# KiCad board HPM1500_DDR2_CORE_RevA.kicad_pcb (continued)
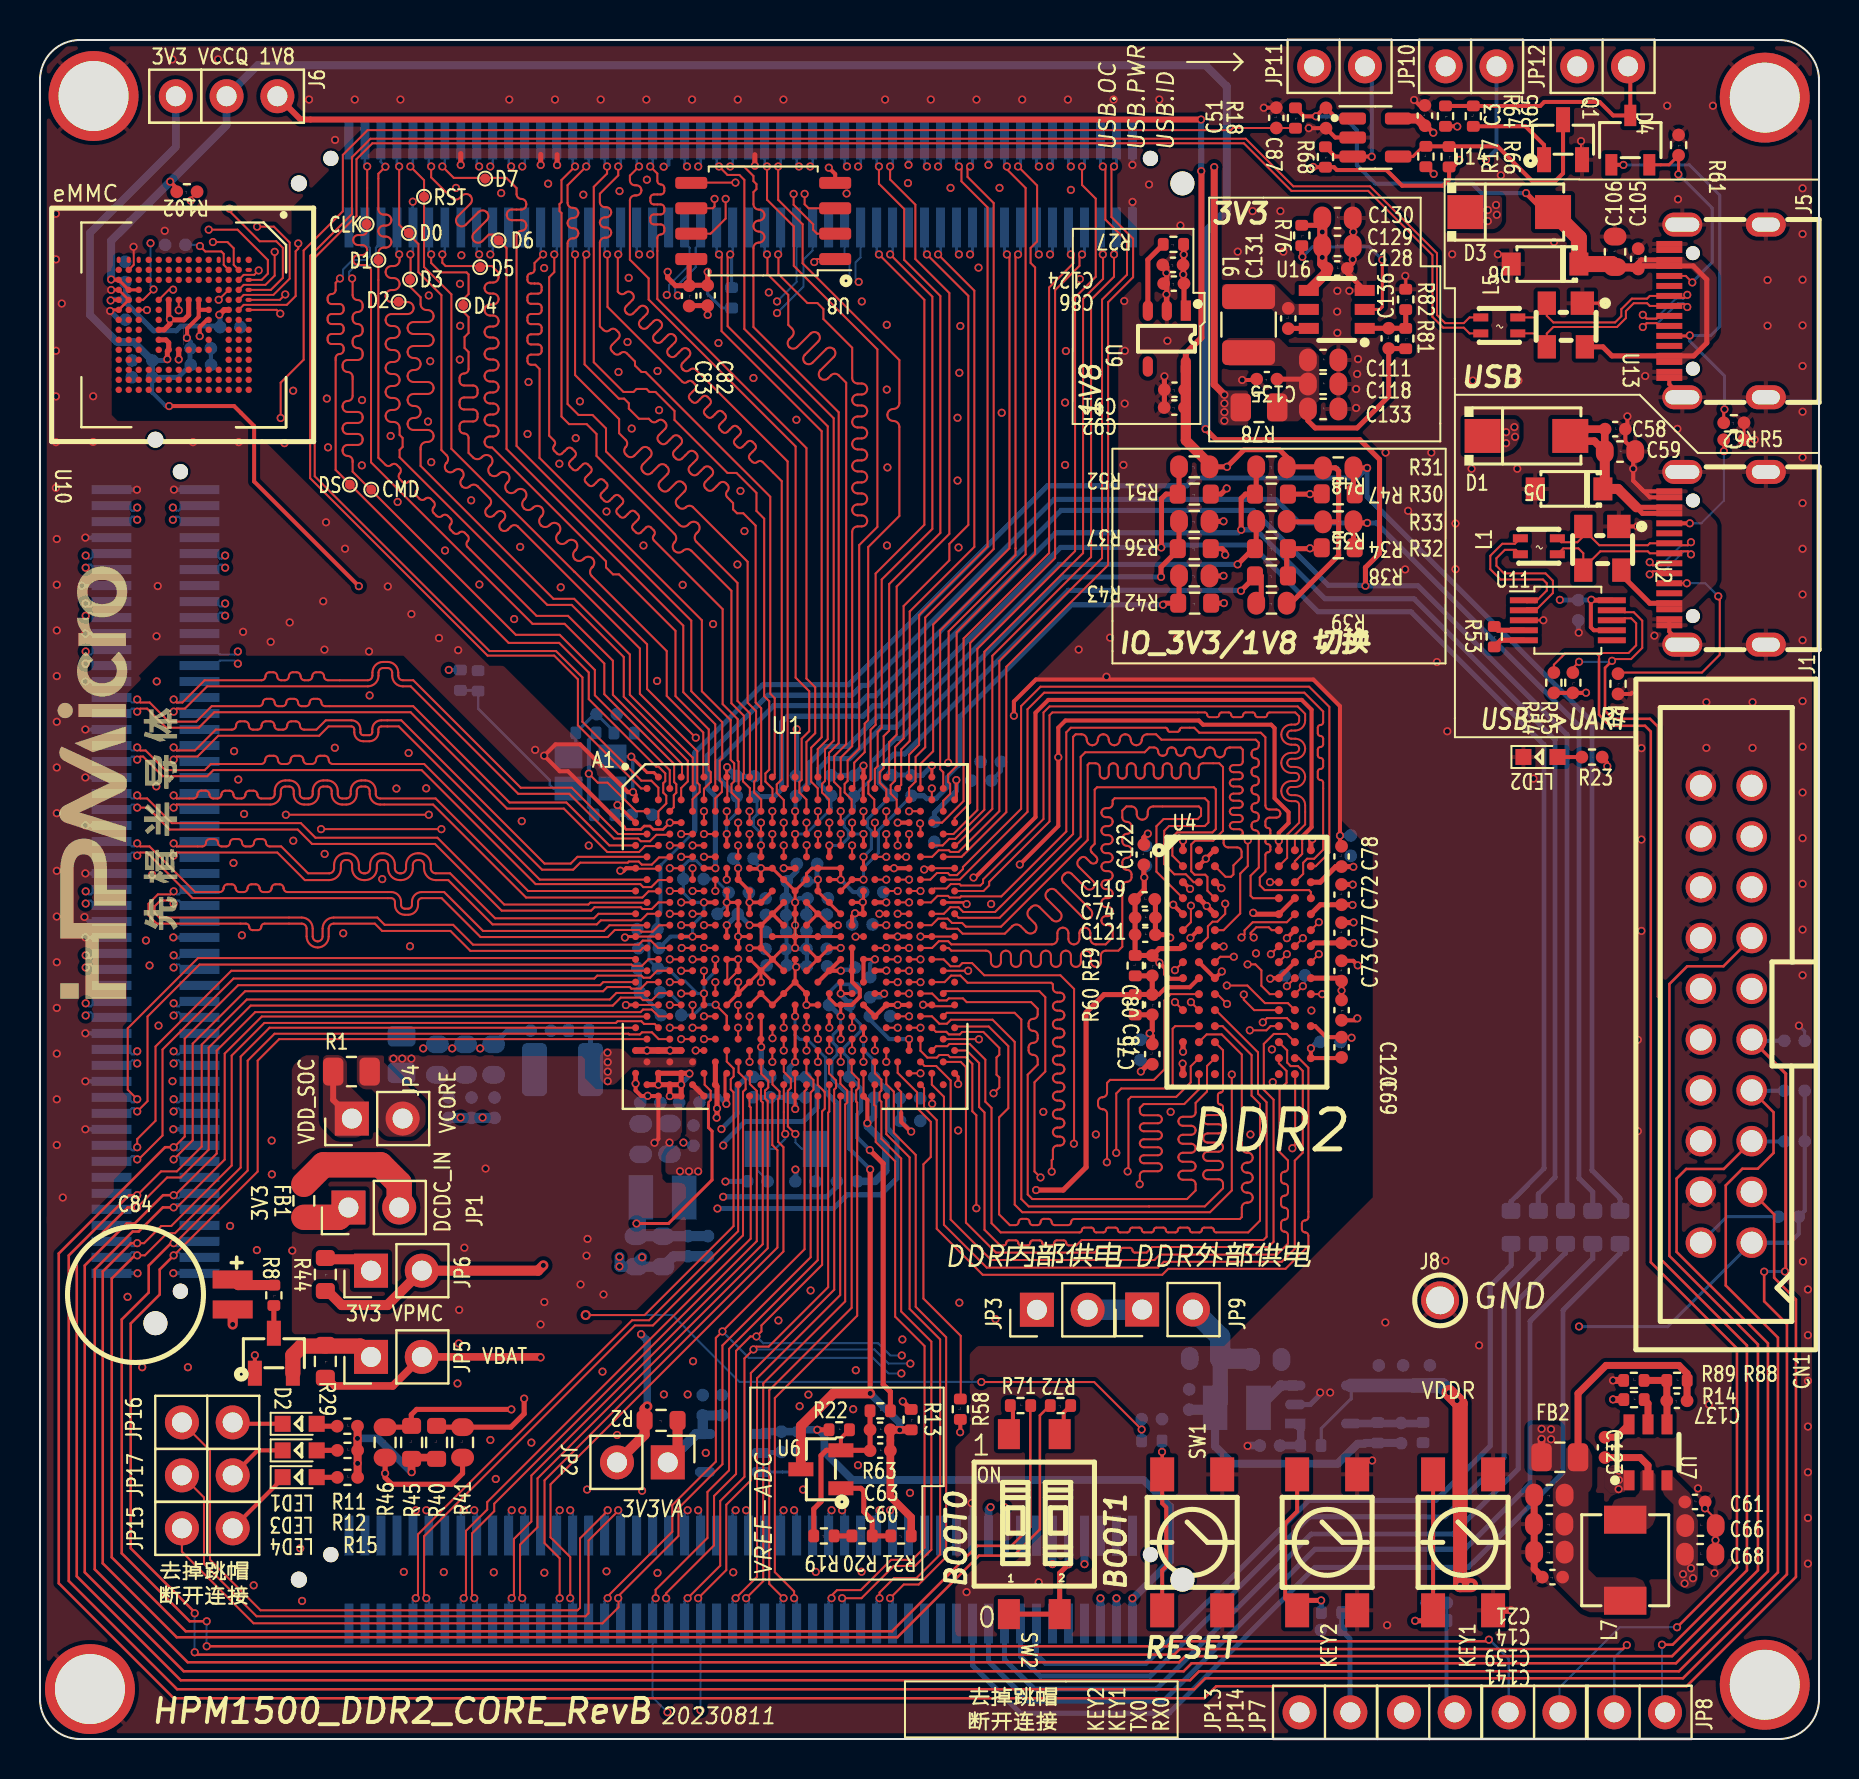
[diagram p0: board, top side]
## Routing (per net, layer and track width the routed paths; a pad name or vN(x,y) marks a point on that pad's centre or on a via; arc(x,y) is an arc through that point) (continued)
  Top w0.102: U1.F6 v1(32.08,45.27)
  In2.Cu w0.102: v1(32.08,45.27) 32.09,45.29 32.09,46.63 31.53,47.2 31.53,50.67 21.05,61.15 15.17,61.15 arc(14.73,61.33) 14.55,61.77 14.55,61.99 arc(14.46,62.21) 14.24,62.3 arc(14.01,62.21) 13.92,61.99 13.92,61.77 arc(13.74,61.33) 13.3,61.15 12.5,61.15 arc(12.39,61.1) 12.34,60.99 arc(12.29,60.89) 12.18,60.84 11.91,60.84 arc(11.8,60.89) 11.76,60.99 arc(11.71,61.1) 11.6,61.15 11.33,61.15 arc(11.22,61.1) 11.17,60.99 arc(11.12,60.89) 11.01,60.84 10.74,60.84 arc(10.63,60.89) 10.59,60.99 arc(10.54,61.1) 10.43,61.15 10.16,61.15 arc(10.05,61.1) 10,60.99 arc(9.95,60.89) 9.84,60.84 9.57,60.84 arc(9.46,60.89) 9.42,60.99 arc(9.37,61.1) 9.26,61.15 6.8,61.15 v1(6.65,61)
  Bottom w0.102: v1(6.65,61) 6.8,61.15 6.95,61.15 7.2,60.9 J2.5
MIPI3.D0_P: length 39.5
  Top w0.102: v1(33.22,45.27) U1.F8
  In2.Cu w0.102: v1(6.65,61.61) 6.8,61.45 13.3,61.45 arc(13.53,61.55) 13.62,61.77 13.62,61.99 arc(13.8,62.42) 14.24,62.6 arc(14.67,62.42) 14.85,61.99 14.85,61.77 arc(14.95,61.55) 15.17,61.45 21.18,61.45 31.83,50.8 31.83,47.33 32.44,46.73 32.44,45.69 32.85,45.27 v1(33.22,45.27)
  Bottom w0.102: J2.3 7.2,61.7 6.95,61.45 6.8,61.45 v1(6.65,61.61)
MIPI3.D1_N: length 39.5
  Top w0.102: v1(31.5,44.7) U1.G5
  In2.Cu w0.102: v1(31.5,44.7) 30.76,45.45 30.76,50.24 21.01,59.99 13.09,59.99 arc(12.97,59.94) 12.92,59.81 arc(12.86,59.69) 12.74,59.64 12.49,59.64 arc(12.37,59.69) 12.32,59.81 arc(12.26,59.94) 12.14,59.99 11.89,59.99 arc(11.77,59.94) 11.72,59.81 arc(11.66,59.69) 11.54,59.64 11.29,59.64 arc(11.17,59.69) 11.12,59.81 arc(11.06,59.94) 10.94,59.99 10.69,59.99 arc(10.57,59.94) 10.52,59.81 arc(10.46,59.69) 10.34,59.64 10.09,59.64 arc(9.97,59.69) 9.92,59.81 arc(9.86,59.94) 9.74,59.99 6.47,59.99 5.3,61.15 5.02,61.15 v1(4.86,61)
  Bottom w0.102: v1(4.86,61) 4.71,61.15 4.6,61.15 4.35,60.9 J2.6
MIPI3.D1_P: length 39.6
  Top w0.102: U1.G7 v1(32.65,44.7)
  In2.Cu w0.102: v1(32.65,44.7) 32.14,44.7 31.68,45.16 31.49,45.16 31.06,45.59 31.06,50.36 21.13,60.29 6.59,60.29 5.43,61.45 5.02,61.45 v1(4.86,61.61)
  Bottom w0.102: J2.4 4.35,61.7 4.6,61.45 4.71,61.45 v1(4.86,61.61)
MIPI3.D2_N: length 39.5
  Top w0.102: U1.J5 v1(31.5,43.56)
  In2.Cu w0.102: v1(31.5,43.56) 30.66,43.56 29.35,44.87 27.95,44.87 26.38,46.44 25.61,46.44 17.11,54.95 arc(16.98,55.01) 16.85,54.95 arc(16.72,54.9) 16.59,54.95 16.47,55.07 arc(16.41,55.2) 16.47,55.33 arc(16.52,55.46) 16.47,55.59 16.35,55.71 arc(16.22,55.76) 16.09,55.71 arc(15.96,55.66) 15.83,55.71 15.71,55.83 arc(15.66,55.96) 15.71,56.09 arc(15.76,56.22) 15.71,56.35 15.59,56.47 arc(15.46,56.52) 15.33,56.47 arc(15.2,56.41) 15.07,56.47 14.95,56.59 arc(14.9,56.72) 14.95,56.85 arc(15.01,56.98) 14.95,57.1 14.65,57.41 8.32,57.41 6.97,58.75 6.43,58.75 6.09,59.09 6.09,59.26 6.04,59.31 5.82,59.31 5.76,59.26 5.76,59.09 5.42,58.75 2.44,58.75 v1(2.29,58.6)
  Bottom w0.102: J2.12 2.8,58.5 2.55,58.75 2.44,58.75 v1(2.29,58.6)
MIPI3.D2_P: length 39.5
  Top w0.102: U1.K6 v1(32.65,43.56)
  In2.Cu w0.102: v1(32.65,43.56) 32.03,43.56 31.68,43.92 30.73,43.92 29.48,45.18 28.05,45.18 26.48,46.74 25.75,46.74 14.78,57.71 8.44,57.71 7.1,59.05 6.55,59.05 6.4,59.2 6.4,59.39 6.17,59.62 5.69,59.62 5.46,59.39 5.46,59.23 5.28,59.05 2.44,59.05 v1(2.29,59.21)
  Bottom w0.102: J2.10 2.8,59.3 2.55,59.05 2.44,59.05 v1(2.29,59.21)
MIPI3.D3_N: length 39.5
  Top w0.102: U1.L7 v1(32.65,42.42)
  In2.Cu w0.102: v1(9.26,56.2) 9.58,56.2 9.76,56.38 13.29,56.38 15.38,54.28 arc(15.43,54.15) 15.38,54.03 arc(15.33,53.9) 15.38,53.77 15.54,53.61 arc(15.66,53.56) 15.79,53.61 arc(15.92,53.67) 16.05,53.61 16.21,53.46 arc(16.26,53.33) 16.21,53.2 arc(16.15,53.07) 16.21,52.94 16.36,52.78 arc(16.49,52.73) 16.62,52.78 arc(16.75,52.84) 16.88,52.78 17.03,52.63 arc(17.09,52.5) 17.03,52.37 arc(16.98,52.24) 17.03,52.11 17.19,51.96 arc(17.32,51.9) 17.45,51.96 arc(17.58,52.01) 17.71,51.96 18.38,51.29 arc(18.42,51.19) 18.38,51.1 18.27,50.99 arc(18.14,50.69) 18.27,50.38 18.5,50.15 arc(18.8,50.03) 19.11,50.15 19.73,50.77 arc(19.82,50.81) 19.91,50.77 20.14,50.54 arc(20.18,50.45) 20.14,50.36 19.52,49.74 arc(19.39,49.43) 19.52,49.13 19.75,48.9 arc(20.06,48.77) 20.36,48.9 20.98,49.52 arc(21.07,49.56) 21.16,49.52 21.39,49.29 arc(21.43,49.2) 21.39,49.11 20.77,48.49 arc(20.65,48.18) 20.77,47.88 21,47.65 arc(21.31,47.52) 21.61,47.65 21.72,47.76 arc(21.81,47.8) 21.91,47.76 23.03,46.64 23.03,45.08 24.62,43.49 27.54,43.49 27.94,43.89 29.22,43.89 30.25,42.86 32.21,42.86 v1(32.65,42.42)
  Bottom w0.102: v1(9.26,56.2) 9.11,56.35 9,56.35 8.75,56.1 J2.17
MIPI3.D3_P: length 39.5
  Top w0.102: v1(33.78,42.42) U1.K8
  In2.Cu w0.102: v1(9.26,56.81) 9.63,56.81 9.76,56.68 13.41,56.68 18.59,51.5 arc(18.72,51.19) 18.59,50.89 18.49,50.78 arc(18.45,50.69) 18.49,50.59 18.71,50.37 arc(18.8,50.33) 18.9,50.37 19.51,50.98 arc(19.82,51.11) 20.13,50.98 20.35,50.76 arc(20.48,50.45) 20.35,50.14 19.74,49.53 arc(19.7,49.43) 19.74,49.34 19.96,49.12 arc(20.06,49.08) 20.15,49.12 20.76,49.73 arc(21.07,49.86) 21.38,49.73 21.6,49.51 arc(21.73,49.2) 21.6,48.89 20.99,48.28 arc(20.95,48.18) 20.99,48.09 21.21,47.87 arc(21.31,47.83) 21.4,47.87 21.51,47.97 arc(21.81,48.1) 22.12,47.97 23.33,46.76 23.33,45.21 24.74,43.8 27.42,43.8 27.82,44.2 29.34,44.2 30.37,43.17 33.04,43.17 v1(33.78,42.42)
  Bottom w0.102: J2.15 8.75,56.9 9,56.65 9.11,56.65 v1(9.26,56.81)
PA28: length 35.9
  Top w0.102: v1(14.06,45.52) v1(20.08,45.52) ; U1.M6 v1(32.08,41.85)
  In2.Cu w0.102: v1(32.08,41.85) 31.94,41.98 31.32,41.98 31.19,42.11 29.95,42.11 29.36,42.69 23.38,42.69 20.55,45.52 v1(20.08,45.52) ; v1(2.29,41.8) 2.55,41.8 3.41,42.66 3.41,44.37 4.56,45.52 v1(14.06,45.52)
  Bottom w0.102: v1(2.29,41.8) 2.44,41.95 2.55,41.95 2.8,41.7 J2.54
PA29: length 35.2
  Top w0.102: v1(12.3,46.24) v1(19.45,46.24) ; v1(31.5,42.42) U1.L5
  In2.Cu w0.102: v1(31.5,42.42) 30.07,42.42 29.47,43.02 23.86,43.02 20.64,46.24 v1(19.45,46.24) ; v1(2.29,42.41) 2.31,42.41 3.06,43.16 3.06,44.45 4.45,45.84 11.9,45.84 v1(12.3,46.24)
  Bottom w0.102: v1(2.29,42.41) 2.44,42.25 2.55,42.25 2.8,42.5 J2.52
PB14: length 29.3
  Top w0.102: 30.42,41.84 27.53,41.84 27.43,41.75 23.22,41.75 19.88,45.09 13.78,45.09 13.05,45.82 6.6,45.82 5.36,47.05 5.02,47.05 v1(4.86,47.21)
  Bottom w0.102: v1(4.86,47.21) 4.71,47.05 4.6,47.05 4.35,47.3 J2.40
PB15: length 30.5
  Top w0.102: v1(4.86,46.6) 5.39,46.6 6.48,45.5 12.89,45.5 13.61,44.78 19.76,44.78 23.1,41.44 27.57,41.44 27.74,41.61 30.05,41.61 30.14,41.52 30.6,41.52 30.94,41.85 U1.M4
  Bottom w0.102: J2.42 4.35,46.5 4.6,46.75 4.71,46.75 v1(4.86,46.6)
PC30: length 32.6
  Top w0.102: U1.E13 v1(36.64,46.41)
  In2.Cu w0.102: v1(29.97,74.27) 30.1,74.14 30.1,60.89 36.4,54.58 36.4,47.62 36.64,47.39 v1(36.64,46.41)
  Bottom w0.127: v1(29.97,74.27) 29.85,74.39 J3.38
PC31: length 33.9
  Top w0.102: U1.G13 v1(36.64,45.27)
  In2.Cu w0.102: v1(36.64,45.27) 36.64,45.82 37,46.19 37,47.47 36.71,47.76 36.71,54.71 30.4,61.02 30.4,74.14 v1(30.53,74.27)
  Bottom w0.127: J3.40 30.65,74.39 v1(30.53,74.27)
VIO_B00: length 101.8
  Top w0.152: U1.AA7 v1(33.21,37.3) ; U1.V8 v1(33.78,39.01)
  Top w0.254: 65.71,62.29 R31.2 65.71,63.59 v1(66.39,63.59)
  Bottom w0.152: 31.03,43.7 32.75,45.42 ; v1(33.78,39) 33.78,38.4 33.22,37.83 v1(33.22,37.29) 32.89,37.29 32.27,37.92 32.03,37.92 31.39,38.56 30.88,38.56 30.46,38.98 30.46,40.08
  Bottom w0.2: 30.46,40.08 30.89,40.51 C134.1 30.89,41.2 31.03,41.34 31.03,43.7
  Bottom w0.254: R79.2 79.04,27.04 77.64,28.44 77.64,50.89 66.39,62.14 v1(66.39,63.59) 65.89,63.09 57.77,63.09 57.37,62.69 50.4,62.69 40.44,52.74 36.16,52.74 32.75,49.34 32.75,45.42
VIO_B01: length 96.6
  Top w0.152: U1.R7 v1(32.65,40.14) U1.R5 ; v1(33.78,43.56) U1.J7
  Top w0.178: U1.M8 v1(33.22,41.85)
  Top w0.254: v1(66.39,60.84) 65.76,60.84 R33.2 65.71,59.59
  Bottom w0.152: v1(32.65,40.14) 32.65,40.71 33.22,41.28 v1(33.22,41.85) 32.66,41.85 32.18,42.33 32.18,43.68 32.45,43.95 32.82,43.95 33.21,43.56 v1(33.78,43.56)
  Bottom w0.2: v1(32.65,40.14) 32.64,40.14 31.54,40.14 C16.1
  Bottom w0.254: R90.2 77.68,27.36 76.99,28.04 76.99,50.69 66.84,60.84 v1(66.39,60.84) 62.99,60.84 61.81,62.01 50.73,62.01 41.43,52.71 41.12,52.71 40.62,52.22 36.41,52.22 33.38,49.19 33.38,47.57 33.78,47.16 v1(33.78,43.56)
VIO_B02: length 190.1
  Top w0.102: v1(3.53,71.97) 3.56,72
  Top w0.152: U10.M4 U10.N4 U10.P3 3.58,73 ; 3.56,72 U10.P5 ; U1.G9 v1(34.35,45.27)
  Top w0.203: R102.2 6.84,77.58 v1(6.51,77.91)
  Top w0.254: v1(58.31,65.53) 58.84,65 66.02,65 67.01,64.01 67.01,59.31 66.31,58.61 v1(66.31,57.69)
  Top w0.279: v1(8.97,71.25) 9.21,71.5 U10.C6
  Bottom w0.152: v1(34.36,45.27) 34.36,45.84 34.86,46.34 C20.1
  Bottom w0.254: C99.1 3.59,72.02 v1(3.53,71.97) ; C99.1 4.28,71.85 5.68,70.45 6.82,70.45 7.05,70.68 8.96,70.68 9.01,70.63 9.01,71.21 ; C99.1 4.28,72.87 C116.1 4.13,73.02 v1(3.56,73.02) ; C20.1 33.88,48.14 33.88,48.87 36.71,51.69 40.9,51.69 41.39,52.19 41.81,52.19 51.08,61.46 60.7,61.46 64.44,57.72 66.28,57.72 ; v1(66.31,57.69) 68.94,57.69 76.39,50.24 76.39,26.5 R91.2
  Bottom w0.4: 4.5,75.9 3.68,75.08 ; 4.5,75.9 v1(6.51,77.91) 9.34,80.73 J6.2 10.89,83.73 58.31,83.73 59.37,82.68 59.37,76.47 58.31,75.41 v1(58.31,65.53) ; 4.5,75.9 3.56,74.96 v1(3.56,73.02)
VIO_B03: length 83.2
  Top w0.152: U1.H12 v1(36.07,44.7)
  Top w0.254: R48.2 60.84,62.28 60.31,62.28 60.09,62.06 v1(60.09,60.49)
  Bottom w0.152: C6.1 35.88,47.01 35.88,46.26 35.68,46.06 35.68,45.69 36.06,45.31 v1(36.06,44.7)
  Bottom w0.254: C6.1 36.73,47.15 37.11,47.52 37.11,50.87 37.41,51.17 41.17,51.17 41.69,51.69 42.16,51.69 50.81,60.34 59.94,60.34 v1(60.09,60.49) 60.84,60.49 64.29,57.04 68.74,57.04 75.79,49.99 75.79,28.09 74.95,27.26 R92.2 ; 35.85,47.06 35.74,47.17 35.9,47.17
VIO_B04: length 77.3
  Top w0.152: U1.E15 v1(37.78,46.41)
  Top w0.254: v1(56.09,59.61) 56.1,59.62 56.1,62.05 56.33,62.28 56.98,62.28 R52.2
  Bottom w0.102: 37.75,46.38 37.78,46.36
  Bottom w0.203: 37.8,46.97 37.8,46.39 37.78,46.36
  Bottom w0.254: R93.2 73.59,26.89 75.24,28.54 75.24,49.74 68.59,56.39 63.94,56.39 60.61,59.73 56.21,59.73 v1(56.09,59.61) 56.09,59.61 51.05,59.61 42.61,51.17 41.91,51.17 40.39,49.66 39.32,49.66 38.48,48.82 38.48,47.87 37.82,47.2
VPMC: length 31.8
  Top w0.152: v1(36.08,34.62) 36.08,36.19
  Top w0.5: JP6.2 17.38,21.71 15.09,21.71 14.32,22.48 14.28,22.48
  Top w0.508: v1(25.18,23.69) 24.92,23.43 JP6.2
  In2.Cu w0.305: v1(34.09,30.51) 32.69,29.11 29.86,29.11 25.18,24.43 v1(25.18,23.69)
  Bottom w0.254: 35.68,33.09 36.53,33.09 36.08,33.55 v1(36.08,34.62) ; C40.1 35.36,33.12 34.88,32.64 34.88,31.3 v1(34.09,30.51)
VREF_3.3V: length 9.9
  Top w0.2: R22.2 40.06,15.04 U6.2
  Top w0.254: R63.1 C60.1 41.51,14.44 U6.2 39.33,14.44 39.07,14.18 39.07,11.87 38.71,11.51 38.71,10.16
VREFH: length 24.2
  Top w0.152: U1.W19 v1(40.06,37.29) U1.Y20
  Top w0.254: 42.33,17.58 42.18,17.73 42.18,28.79 v1(41.51,29.46) ; 42.33,17.58 42.53,17.38 ; 42.33,17.58 42.54,17.37 42.54,16.42
  Bottom w0.152: 40.56,36.71 40.56,36.23 41.04,35.76 41.04,35.4 40.22,34.59 40.22,34.29 40.46,34.05 40.46,33.05
  Bottom w0.203: v1(41.51,29.46) 40.88,30.09 40.88,31.24 41.08,31.44 41.08,32.54 40.53,33.1 40.48,33.1
  Bottom w0.254: 40.56,36.71 40.06,37.22 v1(40.06,37.29)
Net-(C84-Pad1): length 2.2
  Top w0.508: C84.1 9.92,22.71 R8.1
Net-(C111-Pad1): length 10.3
  Top w0.25: C133.1 63.43,65.95 63.79,65.59 65.89,65.59 67.47,67.17 67.47,69.56 ; C118.1 63.19,68.03 61.88,68.03
  Top w0.254: 67.47,69.56 68.31,69.56 68.32,69.55
Net-(C137-Pad1): length 10.8
  Top w0.35: FB2.2 76.94,17.29 78.34,18.69 81.99,18.69 82.4,18.28 R88.2 82.39,17.94 C137.1
Net-(C140-Pad1): length 0.9
  Bottom w0.254: R7.1 C140.1
Net-(CN1-Pad2): length 4.4
  Bottom w0.152: 86.96,26.13 84.39,26.13 CN1.2
Net-(D2-Pad3): length 1.4
  Top w0.254: R8.2 D2.3
Net-(J1-CC1): length 11.2
  Top w0.102: v1(82.38,57.82) J1.A5 ; v1(83.96,57.17) 83.91,57.12 83.91,57.09 84.03,56.97 84.03,54.24 83.14,53.35 79,53.35 R4.1
  Bottom w0.102: v1(82.38,57.82) 83.31,57.82 v1(83.96,57.17)
Net-(J1-CC2): length 6.3
  Top w0.152: v1(84.24,64.43) 84.24,64.99 R5.1
  Top w0.203: J1.B5 82.53,60.82 v1(82.53,60.82)
  Bottom w0.102: v1(82.53,60.82) 83.11,60.82 84.24,61.95 v1(84.24,64.43)
Net-(J4-Pin_80): length 50.2
  Bottom w0.254: J4.80 46.65,3.68 49.04,1.29 56.49,1.29 63.78,8.58 71.44,8.58 76.19,13.33 76.19,21.44 79.04,24.29 R79.1
Net-(J4-Pin_82): length 47.6
  Bottom w0.254: J4.82 47.45,3.88 49.44,1.89 56.19,1.89 63.79,9.49 71.28,9.49 74.54,12.75 74.54,20.89 77.68,24.03 R90.1
Net-(J4-Pin_84): length 44.9
  Bottom w0.254: J4.84 48.25,3.98 49.74,2.49 55.84,2.49 63.6,10.25 70.69,10.25 73.94,13.5 73.94,21.94 76.31,24.32 R91.1
Net-(J4-Pin_86): length 42.2
  Bottom w0.254: R92.1 74.95,24.06 73.24,22.34 73.24,14.07 70.28,11.11 63.51,11.11 55.54,3.14 50.04,3.14 49.05,4.13 J4.86
Net-(J4-Pin_88): length 39.5
  Bottom w0.254: R93.1 73.59,23.69 72.54,22.64 72.54,14.65 69.82,11.93 63.48,11.93 55.34,3.79 50.29,3.79 49.85,4.23 J4.88
Net-(J5-CC1): length 20.4
  Top w0.152: v1(82.53,70.22) 82.5,70.19 J5.A5 ; R62.2 84.23,66.48 v1(84.27,66.52)
  Top w0.203: D4.1 79.21,78.75 v1(79.21,78.75)
  Bottom w0.15: v1(79.21,78.75) 82.51,78.75 84.03,77.23 84.03,70.67 83.58,70.22 v1(82.53,70.22) 82.53,69.93 84.27,68.19 84.27,67.9
  Bottom w0.152: v1(84.27,66.52) 84.27,67.9
Net-(J5-CC2): length 10.4
  Top w0.102: v1(82.66,72.87) 82.33,73.19 J5.B5
  Top w0.152: D4.2 81.49,78.75 R61.2 81.97,78.29 v1(81.96,78.28)
  Bottom w0.15: v1(81.96,78.28) 83.65,76.59 83.65,73.88 82.66,72.88 v1(82.66,72.87)
Net-(JP2-B): length 33.2
  Top w0.203: U1.V18 U1.W17 ; U1.V18 U1.U19 ; U1.V18 v1(40.06,38.43)
  Top w0.508: JP2.2 30.25,15.22 R2.2 30.25,16.5 v1(30.38,16.64)
  In2.Cu w0.203: 35.93,33.14 35.93,34.11 35.62,34.42 35.62,35.06 37.83,37.27 38.9,37.27 v1(40.06,38.43)
  In2.Cu w0.254: 35.92,33.14 35.36,32.58
  In2.Cu w0.381: v1(30.07,20.25) 35.36,25.54 35.36,32.58
  Bottom w0.203: 40.68,38.49 40.11,38.49 v1(40.06,38.43)
  Bottom w0.381: v1(30.07,20.25) 30.37,19.95 30.37,16.65 v1(30.38,16.64)
Net-(JP5-A): length 5.2
  Top w0.762: JP5.1 16.02,19.66 13.11,19.66 12.65,19.2 D2.2
Net-(KEY1-Pad3): length 8.5
  Top w0.2: KEY1.3 KEY1.4
  Top w0.254: v1(68.79,5.91) 69.17,5.91 KEY1.4
  Bottom w0.254: R69.1 68.8,5.92 v1(68.79,5.91)
Net-(KEY2-Pad3): length 9.3
  Top w0.2: KEY2.4 62.29,7.04 62.29,10.79 62.89,11.39 KEY2.3
  Top w0.254: KEY2.4 63.39,6.93 v1(64.09,6.93)
  Bottom w0.254: 64.1,6.32 64.1,6.92 v1(64.09,6.93)
Net-(LED1-A): length 1
  Top w0.254: R11.1 13.89,15.65
Net-(LED2-A): length 1.2
  Top w0.2: R23.1 75.92,49.12
Net-(LED3-A): length 1.1
  Top w0.254: R12.1 13.78,14.44
Net-(LED4-A): length 1.1
  Top w0.254: R15.1 13.79,13.09
Net-(Q1-D): length 12
  Top w0.152: U14.4 68.68,79.17 69.19,79.68 69.33,79.68
  Top w0.203: 70.48,79.68 69.33,79.68 ; 70.5,79.68 72.91,79.68 74.66,77.93 75.79,77.93 76.19,78.33 Q1.3
Net-(Q1-G): length 4.7
  Top w0.2: R65.1 74.31,80.68 75.24,79.75 Q1.1
Net-(R6-Pad1): length 8.6
  Top w0.178: SW1.3 56.14,14.36 v1(56.13,14.36)
  Top w0.2: SW1.4 56.14,8.44 56.34,8.64 56.34,11.59 56.14,11.79 SW1.3
  Bottom w0.178: v1(56.13,14.36) R6.1
Net-(R19-Pad1): length 0.9
  Top w0.254: 39.72,10.16 40.62,10.16
Net-(SW2-PIN3): length 1.6
  Top w0.203: 51.21,15.18 51.21,16.34 R72.1
Net-(SW2-PIN4): length 1.6
  Top w0.203: 48.67,15.18 48.67,16.55 48.54,16.68
Net-(U1K-USB0_VBUS): length 99.8
  Top w0.102: v1(12.04,66.09) 12.04,67.85 13.19,69 13.19,74.47 15.15,76.43 15.15,79.25 16.39,80.49 59.57,80.49 59.68,80.6 C51.1 62.8,80.6 62.81,80.59
  Top w0.152: U1.J9 v1(34.36,42.99)
  In2.Cu w0.102: v1(12.04,66.09) 14.86,66.09 18.16,62.79 22.19,62.79 32.33,52.65 32.33,49.6 32.81,49.12 32.81,46.09 33.03,45.87 33.41,45.87 33.81,45.47 33.81,44.77 34.36,44.22 v1(34.36,42.99)
Net-(U1L-RTC_XTAL_IN): length 6.2
  Top w0.102: v1(37.28,30.27) 37.21,30.34 37.21,32.79
  Bottom w0.102: v1(37.28,30.27) 37.28,30.03 36.78,29.52 X2.1 35.89,28.45 36.37,27.97 36.37,27.9
Net-(U1L-RTC_XTAL_OUT): length 7.2
  Top w0.102: v1(37.79,30.27) 37.41,30.65 37.41,32.42 37.56,32.57 37.56,33.03 37.21,33.38 37.21,33.92
  Bottom w0.102: 38.78,27.9 38.81,27.93 X2.2 38.11,29.52 37.79,29.84 v1(37.79,30.27)
Net-(U1L-XTAL_IN): length 3.5
  Top w0.152: 28.99,46.64 29.54,46.09 29.55,46.09 U1.E1
  Bottom w0.15: 29.59,46.23 C49.1
  Bottom w0.2: 29.59,46.23 28.75,46.23 28.89,46.38 v1(28.89,46.72) 28.89,47.3 X3.3
Net-(U1L-XTAL_OUT): length 7.9
  Top w0.102: U1.D2 29.82,46.41 28.39,47.84 27.91,47.84 v1(27.46,48.29)
  Bottom w0.2: 27.73,46.36 27.46,46.64 v1(27.46,48.29) 27.46,49.97 R86.2
Net-(U3-EN): length 2.3
  Bottom w0.381: U3.1 63.07,15.51 63.07,14.68 C57.1
Net-(U3-FB): length 3.6
  Bottom w0.381: U3.5 69.13,15.79 69.19,15.84
Net-(U5-EN): length 2.7
  Bottom w0.152: U5.3 37.54,13.36 37.97,13.79 R57.2
Net-(U6-R): length 4.6
  Top w0.254: U6.1 41.07,12.54 41.21,12.4 41.21,11.37 41.63,10.95 41.63,10.16 42.57,10.16
Net-(U7-EN): length 1.3
  Top w0.35: 80.25,16.98 80.44,16.79 U7.5
Net-(U7-SW): length 3.1
  Top w0.35: U7.2 80.44,13.69 80.05,14.08 C123.2
Net-(U7-VBST): length 1.5
  Top w0.35: U7.6 78.85,15.1 C123.1
Net-(U7-VFB): length 3.3
  Top w0.35: 80.24,17.94 81.38,17.94 81.38,16.93 81.38,16.92 81.39,16.91 81.39,15.74
Net-(U9-EN): length 3.6
  Top w0.254: U9.3 55.42,74 R27.2
Net-(U10A-VDDI): length 3
  Top w0.097: 9.19,73.75 9.19,74.3
  Top w0.102: U10.C2 9.19,73.75 ; v1(8,74.69) 8.27,74.42 9.07,74.42 9.19,74.3
  Bottom w0.102: v1(8,74.69) 7.94,74.75 C95.2
Net-(U11-~{CTS}): length 1.6
  Top w0.254: U11.5 73.08,54.97 R53.2
Net-(U11-~{RTS}): length 1.6
  Top w0.254: R53.1 72.94,55.47 U11.4
Net-(U16-BS): length 1
  Top w0.254: 62.44,70.56 62.45,70.57 U16.6
Net-(U16-EN): length 8.3
  Top w0.152: v1(67.15,74) 67.15,71.65 67.02,71.52 U16.2
  Top w0.254: 63.12,74.71 63.12,74.18 v1(63.15,74.15)
  Bottom w0.152: v1(67.15,74) 66.5,74.65 63.65,74.65 v1(63.15,74.15)
Net-(U16-FB): length 3
  Top w0.254: 68.32,71.51 68.32,70.57 68.31,70.58 C136.2 66.28,70.58 U16.1
Net-(X3-TRI_state): length 4.1
  Bottom w0.15: R85.2 28.71,50.4 27.84,51.27 27.74,51.27 26.8,50.33 26.8,49.51 26.44,49.15
Net-(X3-VDD): length 8.1
  Bottom w0.12: 26.44,47.55 25.69,47.55 25.5,47.73 25.5,47.96 21.92,51.54 21.92,52.43
  Bottom w0.15: 21.03,52.47 21.88,52.47 21.92,52.43

## Copper pours and planes (outline as drawn; the poured copper is in the pictures)
5V_Debug on Top: 83.92,60.85 83.92,57.86 82.46,56.4 80.91,56.4 80.91,56.97 82.14,56.97 83.06,57.9 83.06,60.71 82.61,61.17 80.91,61.17 80.91,61.75 83.02,61.75
+3.3V on Top: 76.09,15.73 74.46,15.74 74.46,13.41 76.09,13.41
+3.3V on Top: 60.58,67.46 60.58,65.92 60.38,65.71 59.09,65.71 58.94,65.86 58.94,67.39 59.02,67.46
+3.3V on In2.Cu: 70.1,63.43 70.93,62.6 77.35,62.6 77.35,8.55 53.24,8.55 52.39,7.74 52.39,4.29 9.64,4.29 9.64,11.34 9.65,11.34 9.65,29.5 17.5,29.5 17.5,20.45 15.3,20.45 15.3,17.55 17.4,17.55 17.4,9.98 18.08,9.3 47.25,9.3 50.04,12.09 69.1,12.09 74.04,17.09 74.15,55.29 73.04,56.39 58.95,56.45 58.95,67.5 70.1,67.5
+5V on Top: 71.38,77.21 73.14,77.21 73.14,75.86 72.82,75.54 71.35,75.54 71.35,77.18
+5V on Top: 81.12,12.33 81.59,11.85 81.71,11.73 81.71,7.99 82.18,7.52 82.63,7.52 82.94,7.83 82.94,11.13 82.67,11.4 82.67,12.16 81.67,13.16 81.67,13.44 81.12,13.44
+5V on Top: 72.3,66.03 74.01,66.03 74.01,64.88 73.49,64.36 72.27,64.36 72.27,66
+5V on In2.Cu: 70.55,76.9 78.62,76.9 79.08,76.44 79.08,67.97 81.98,65.07 81.98,9.1 82.23,8.85 82.77,8.85 83.08,8.54 83.08,7.62 82.73,7.27 81.97,7.27 81.81,7.11 81.81,4.56 81.38,4.12 53.18,4.12 52.82,4.48 52.82,7.46 53.41,8.05 77.41,8.05 78,8.64 78,62.45 77.33,63.12 71.46,63.12 70.55,64.03 70.55,69.41 67.36,72.6 67.35,72.6 67.02,72.93 57.05,72.93 56.9,73.08 56.9,74.97 57.8,75.87 66.54,75.87 68.37,77.7 68.37,79.96 69.08,80.67 69.88,80.67 70.03,80.52 70.03,80.23 69.21,79.41 69.21,77.25 69.57,76.89 70.56,76.89
/Main/MCU-08/VDDR' on Bottom: 31.31,25.51 33.64,25.51 33.94,25.81 47.63,25.81 50.93,22.51 50.93,20.28 50.65,20 49.15,20 45.41,23.74 34.52,23.74 33.36,24.9 31.29,24.9 31.29,25.5
GND on Top: 78.39,13.59 78.24,13.44 78.24,12.59 78.54,12.29 79.19,12.29 79.29,12.39 79.29,13.44 79.14,13.59
GND on Top: 0.47,31.19 3.94,31.71 3.94,28.24 3.69,27.99 3.69,10.09 10.84,2.94 83.74,2.94 87.79,6.99 87.79,24.04 87.74,24.5 88.28,24.5 88.64,24.14 88.49,23.99 88.49,1.34 87.44,0.29 1.69,0.29 0.34,1.64 0.34,26.14 0.39,26.19 0.39,28.95
GND on Top: 88.64,3.94 71.49,3.94 71.49,5.13 45.79,5.13 45.79,14.61 46.51,15.33 46.51,19.27 46.9,19.66 59.23,19.66 66.67,27.1 66.67,44.39 65.1,45.96 65.1,51.69 63.7,53.09 54.79,53.09 50.23,52.97 49.73,52.97 49.09,52.34 53.94,57.19 53.94,69.54 54.14,69.74 54.14,72.09 54.99,72.94 54.99,75.49 53.89,76.59 53.89,79.09 15.09,79.09 12.59,76.59 12.59,73.64 12.39,73.44 3.84,73.44 3.59,73.19 3.59,66.24 3.89,65.94 10.24,65.94 22.49,53.69 23.19,53.69 28.99,47.89 24.49,47.89 18.19,54.19 5.94,54.19 4.94,53.19 5.09,53.04 4.34,52.29 4.34,28.64 3.69,27.99 2.54,27.99 0.34,25.79 0.34,83.69 1.34,84.69 88.64,84.69
GND on Top: 13.2,34.21 22.67,34.21 22.72,34.16 27.26,34.16 27.26,33.08 27.83,32.51 29.45,32.51 29.79,32.23 30.26,31.8 32.1,31.8 32.19,31.71 32.19,30.27 31.14,29.22 31.14,28.02 31.33,27.83 32.09,27.83 32.31,27.74 32.3,23.92 28.63,20.25 12.6,20.25 12.6,33.63
GND on Bottom: 67.44,32.74 74.29,32.74 74.44,32.59 74.44,19.69 72.59,17.19 60.24,17.19 59.75,17.68 59.75,25.05
GND on Bottom: 38.58,38.38 37.12,38.38 37.12,43.19 38.58,43.19
GND on Bottom: 88.93,82.23 88.93,84.86 1.08,84.86 0.39,84.17 0.39,82.23
GND on Bottom: 30.05,30.05 32.83,30.05 32.99,29.89 32.99,29.54 32.84,29.39 32.44,29.39 31.99,28.94 29.69,28.94 29.69,29.69
GND on Bottom: 88.93,82.23 88.93,0.24 0.44,0.24 0.44,46.84 0.39,46.84 0.39,82.23 ; 1 cut-out
GND on In1.Cu: 88.98,0.16 0.53,0.16 0.53,84.94 88.98,84.94
GND on In2.Cu: 76.9,77.6 79.41,77.6 79.94,77.07 79.94,76.51 79.55,76.12 79.55,68.07 82.45,65.17 83.24,65.17 83.85,65.78 83.85,77.28 82.86,78.28 77.39,78.28 76.9,77.79
GND on In2.Cu: 0.19,84.69 88.82,84.69 88.82,0.29 0.39,0.29 0.39,30.09 0.19,30.09 ; 1 cut-out
VBUS on Top: 83.88,73.24 83.88,70.25 82.42,68.79 80.87,68.79 80.87,69.36 82.1,69.36 83.03,70.29 83.03,73.1 82.57,73.56 80.87,73.56 80.87,74.14 82.98,74.14
VDD_SOC on Top: 14.16,34.09 14.16,30.79 14.86,30.09 15.96,30.09 16.31,30.44 16.31,31.85 15.36,32.8 15.36,33.91 15.05,34.22 14.29,34.22
VDD_SOC on Bottom: 14.39,32.59 16.84,32.59 16.84,30.19 16.64,29.99 14.39,29.99
VDD_SOC on Bottom: 29.04,38.14 29.49,37.69 29.49,37.04 30.89,35.64 32.44,35.64 34.09,37.29 34.09,40.79 34.34,41.04 35.39,41.04 35.89,41.54 35.89,42.34 36.14,42.59 36.69,42.59 36.89,42.39 36.89,38.4 37.11,38.19 38.54,38.19 38.84,38.49 38.84,42.33 39.05,42.54 40.04,42.54 40.29,42.29 40.29,38.09 39.64,37.44 38.74,37.44 34.54,33.24 29.09,33.24 28.89,33.44 28.89,34.79 27.74,35.94 17.49,35.94 16.81,35.26 16.81,30.01 16.49,29.69 14.69,29.69 14.04,30.34 14.04,37.39 14.79,38.14
VDD_SOC on In2.Cu: 40.2,41.01 40.38,40.83 40.38,39.47 38.4,37.53 34.86,37.53 34.66,37.66 34.66,39.8 34.17,40.29 34.17,40.83 34.35,41.01
VDDR on Bottom: 62.55,45.42 63.78,45.42 64.42,44.78 66.02,44.78 66.29,44.51 66.29,39.65 65.57,38.93 65.57,35.7 65.89,35.38 65.89,34.71 64.72,33.54 64.72,31.24 56.28,22.8 56.28,20.74 55.84,20.3 51.84,20.3 51.22,20.92 51.22,22.85 47.99,26.08 44.43,26.08 43.53,26.98 43.53,29.88 43.57,29.92 43.57,30.03 43.36,30.24 43.36,33.81 41.76,35.41 41.76,39.75 41.49,40.02 41.49,41.74 41.74,41.99 41.74,43.29 43.19,44.74 44.32,44.74 47.79,48.21 53.21,48.21 53.39,48.39 59.58,48.39
/Main/MCU-08/DCDC_IN on Bottom: 18.19,27.64 22.99,27.64 23.59,27.04 26.04,27.04 26.84,27.84 26.84,30.99 27.16,31.3 30.41,31.3 30.69,31.59 30.69,32.84 30.84,32.99 32.24,32.99 32.34,32.89 32.34,31.49 32.99,30.84 32.99,30.59 32.69,30.29 29.74,30.29 29.04,29.59 29.04,27.04 27.49,25.49 18.39,25.49 17.18,25.86 17.18,27.31
/Main/MCU-08/DCDC_LP on Top: 29.14,34.54 29.59,34.09 32.78,34.09 32.84,34.03 32.84,33.72 32.72,33.6 29.61,33.6 28.73,32.72 28.26,32.72 28.01,32.97 28.01,34.27 28.28,34.54
/Main/MCU-08/DCDC_LP on Bottom: 27.89,34.79 28.29,34.79 28.64,34.44 28.64,33.04 28.14,32.54 27.64,32.54 27.49,32.69 27.49,34.39
/Main/MCU-08/DCDCM_LP on Top: 33.14,32.51 33.14,28.44 32.74,28.24 31.29,28.24 31.29,29.24 32.33,30.28 32.33,31.78 32.49,31.94 32.49,32.98 32.67,32.98
/Main/MCU-08/DCDCM_LP on Bottom: 33.08,25.98 31.65,25.98 31.65,28.58 33.08,28.58
DCDC_GND on Bottom: 17.74,35.69 19.04,35.69 19.39,35.34 22.89,35.34 23.24,34.99 23.24,34.64 22.99,34.39 19.09,34.39 18.84,34.64 17.89,34.64 17.49,35.04 17.49,35.44
DCDC_GND on In1.Cu: 31.37,35.01 31.75,34.63 31.75,34.22 31.76,34.21 31.17,33.62 29.67,33.62 29.5,33.45 29.5,32.13 29.87,31.76 33.91,31.76 34.1,31.57 34.1,31.01 33.76,30.67 30.31,30.67 30.07,30.43 30.07,25.03 30.52,24.58 30.72,24.58 30.94,24.36 30.94,23.68 30.55,23.29 28.1,23.29 27.82,23.57 27.82,30.07 27.1,30.79 22.37,30.79 22.34,30.76 20.7,30.76 20.51,30.95 20.51,33.5 20.13,33.88 19.25,33.88 18.88,34.25 18.88,34.82 19.07,35.01
Vcore on Top: 15.85,34.11 15.85,32.8 16.15,32.5 16.58,32.5 16.87,32.21 16.87,30.58 17.32,30.13 18.7,30.13 19.29,30.72 19.29,31.77 17.21,33.85 17.21,34.15 17.16,34.2 15.94,34.2
Vcore on Bottom: 19.34,33.99 23.34,33.99 23.94,34.59 24.39,34.59 24.39,32.19 24.04,31.84 20.44,31.84 19.74,31.14 19.74,30.64 19.19,30.09 17.49,30.09 17.19,30.39 17.19,31.79 17.64,32.24 18.39,32.24 19.14,32.99 19.14,33.79
